# Altium PCB PCB1.PcbDoc (part 2 of 4)
Units mm, origin at the board's own origin, x right, y up, seen from the top; angles counter-clockwise.
Board outline 182 x 106 mm, 2 copper layers (Top Layer, Bottom Layer); 1027 components, 737 nets, 3417 pads, 0 vias.
Unrouted connection lines stored in the file: 2451.
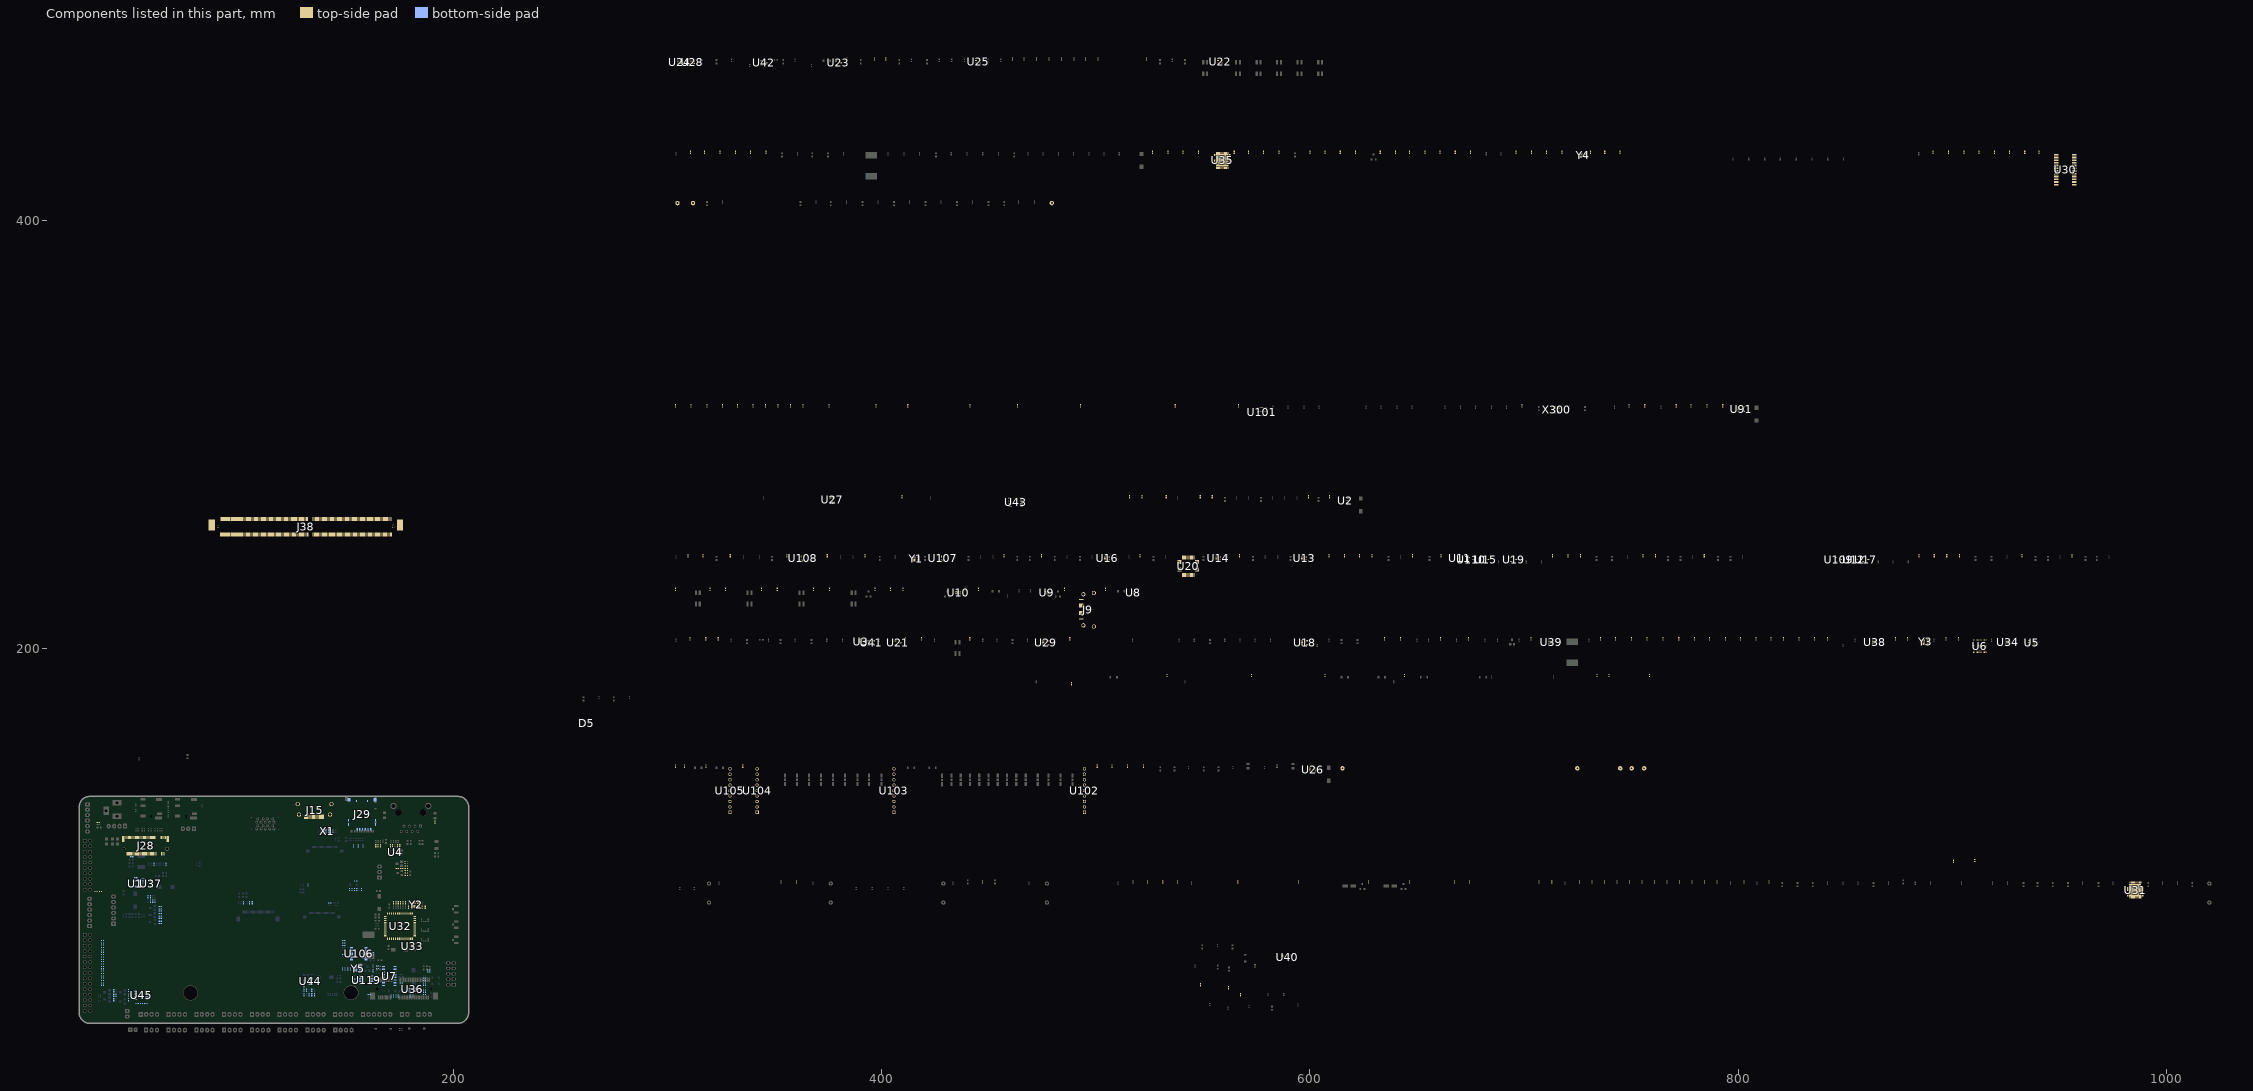
[diagram p2: the components of this part, seen from the top]

## Components (designator, comment, footprint, x,y, rotation, side; value= is the part's Value field where it differs from the comment) (continued)
R308 "R0402" "R 0402" 343.789,227.711 r90 top
R309 "R0402" "R 0402" 326.898,227.711 r90 top
R310 "R0402" "R 0402" 319.786,227.711 r90 top
R311 "R0402" "R 0402" 303.53,227.711 r90 top
R312 "R0402" "R 0402" 409.448,271.018 r90 top
R313 "R0402" "R 0402" 148.1,50.4 r90 bottom
R314 "R0402" "R 0402" 149.3,50.4 r90 bottom
R315 "R0402" "R 0402" 49.575,102.827 r0 bottom
R500 "R0402" "R 0402" 785.495,313.436 r90 top
R501 "R0402" "R 0402" 792.861,313.436 r90 top
R502 "R0402" "R 0402" 756.412,313.436 r90 top
R525 "R0402" "R 0402" 35.9,62.6 r0 bottom
R526 "R0402" "R 0402" 35.9,63.7 r0 bottom
R527 "R0402" "R 0402" 35.9,60.4 r0 bottom
R528 "R0402" "R 0402" 35.9,61.5 r0 bottom
R529 "R0402" "R 0402" 35.9,58.2 r180 bottom
R530 "R0402" "R 0402" 35.9,43.9 r0 bottom
R531 "R0402" "R 0402" 35.9,42.8 r0 bottom
R532 "R0402" "R 0402" 35.9,59.3 r180 bottom
R533 "R0402" "R 0402" 35.9,57.1 r180 bottom
R534 "R0402" "R 0402" 35.9,56 r180 bottom
R535 "R0402" "R 0402" 35.9,53.8 r0 bottom
R536 "R0402" "R 0402" 35.9,54.9 r0 bottom
R537 "R0402" "R 0402" 35.9,52.7 r0 bottom
R538 "R0402" "R 0402" 35.9,51.6 r0 bottom
R539 "R0402" "R 0402" 35.9,50.5 r0 bottom
R540 "R0402" "R 0402" 35.9,49.4 r0 bottom
R541 "R0402" "R 0402" 35.9,47.2 r0 bottom
R542 "R0402" "R 0402" 35.9,48.3 r0 bottom
R543 "R0402" "R 0402" 35.9,45 r0 bottom
R544 "R0402" "R 0402" 35.9,46.1 r0 bottom
R545 "R0402" "R 0402" 778.002,313.436 r90 top
R546 "R0402" "R 0402" 412.115,313.436 r90 top
R547 "R0402" "R 0402" 537.083,313.436 r90 top
R548 "R0402" "R 0402" 375.285,313.436 r90 top
R549 "R0402" "R 0402" 397.383,313.436 r90 top
R550 "R0402" "R 0402" 441.198,313.436 r90 top
R551 "R0402" "R 0402" 771.144,313.436 r90 top
R552 "R0402" "R 0402" 699.008,313.436 r90 top
R553 "R0402" "R 0402" 566.547,313.436 r90 top
R559 "R0402" "R 0402" 463.296,313.436 r90 top
R607 "R0402" "R 0402" 62.875,75.2 r0 bottom
R608 "R0402" "R 0402" 62.875,74.1 r0 bottom
R611 "R0402" "R 0402" 392.049,243.459 r90 top
R612 "R0402" "R 0402" 309.372,243.459 r90 top
R613 "R0402" "R 0402" 903.478,243.459 r90 top
R614 "R0402" "R 0402" 884.555,243.459 r90 top
R615 "R0402" "R 0402" 726.313,243.459 r90 top
R616 "R0402" "R 0402" 713.359,243.459 r90 top
R656 "R0402" "R 0402" 154,44.2 r0 bottom
R657 "R0402" "R 0402" 154,45.75 r180 bottom
R658 "R0402" "R 0402" 160.6,38.5 r180 bottom
R661 "R0402" "R 0402" 131.9,89.6 r90 bottom
R662 "R0402" "R 0402" 828.421,204.597 r90 top
R671 "R0402" "R 0402" 148.675,61.4 r180 bottom
R672 "R0402" "R 0402" 156.125,52.8 r0 bottom
R673 "R0402" "R 0402" 148.675,57.2 r180 bottom
TP1 "TP" TP1 744.982,144.145 r0 top
TP2 "TP" TP1 724.916,144.145 r0 top
TP3 "TP" TP1 756.158,144.145 r0 top
TP4 "TP" TP1 750.316,144.145 r0 top
TP5 "TP" TP1 615.188,144.145 r0 top
TP13 "TP" TP1 479.425,408.178 r90 top
TP14 "TP" TP1 311.785,408.178 r90 top
TP15 "TP" TP1 304.546,408.178 r90 top
U1 "SOT-23-6_TPS563200" SOT-23-6 51.2,90.2 r90 bottom
U2 "SOT-23-6_SY8113BADC" "SOT-23-6 Thin" 616.585,269.24 r0 top
U3 "SY6280AAAC" DCK5_N 390.144,203.327 r0 top
U4 "PT5108E23E-30" TI-DDC5_N 172.8,104.9 r180 top
U5 "HDMI_IN_SOT236" SOT-23-6 937.26,202.819 r0 top
U6 "HDMI_IN" TC358749XBG-80pin 912.876,201.168 r0 top
U7 "MAX3232" SOP-16 169.9,47.1 r0 bottom
U8 "ESD5304D" RCLAMP0524PATCT 517.525,226.187 r0 top
U9 "ESD5304D" RCLAMP0524PATCT 477.139,226.187 r0 top
U10 "ESD5304D" RCLAMP0524PATCT 435.61,226.187 r0 top
U11 "SY6280AAAC" DCK5_N 670.052,242.189 r0 top
U12 "NC/ESD5302F" INF-SOT23_N 854.075,241.681 r0 top
U13 "SY6280AAAC" DCK5_N 597.281,242.189 r0 top
U14 "SY6280AAAC" DCK5_N 557.149,242.189 r0 top
U15 "NC/ESD5302F" INF-SOT23_N 682.244,241.681 r0 top
U16 "SY6280AAAC" DCK5_N 505.206,242.189 r0 top
U17 "NC/ESD5302F" INF-SOT23_N 859.663,241.681 r0 top
U18 "HDMI_OUT_SHDN" TI-DDC5_N 597.535,202.819 r0 top
U19 "NC/ESD5302F" INF-SOT23_N 695.198,241.681 r0 top
U20 "FE2_QFP48" LQFP48_N 543.179,238.506 r0 top
U21 "ESD5302F" INF-SOT23_N 407.543,202.819 r0 top
U22 "NC/SY6280AAAC" DCK5_N 558.038,474.218 r0 top
U23 "NC/ESD5302F" INF-SOT23_N 379.73,473.71 r0 top
U24 "NC/ESD5304D" RCLAMP0524PATCT 305.689,473.964 r0 top
U25 "SY6280AAAC" DCK5_N 445.008,474.218 r0 top
U26 "SOT-23-6_TPS563200" SOT-23-6 601.345,143.383 r0 top
U27 "ALPU-C" *SSOT6 376.936,269.494 r0 top
U28 "NC/ESD5304D" RCLAMP0524PATCT 311.531,473.964 r0 top
U29 "HDMI_OUT_SHDN" TI-DDC5_N 476.631,202.819 r0 top
U30 "SG24301G" SG24301G 952.881,423.799 r0 top
U31 "ALC5640" QFN48 985.52,87.249 r0 top
U32 "AP6356S" AP6356S 175,70.4 r270 top
U33 "NC/LM3691TL-3.3" TLA06LCA 180.55,61.1 r180 top
U34 "NC" RCLAMP0524PATCT 926.084,203.073 r0 top
U35 "RTL8211E-VB-CG" QFN48 559.054,428.117 r0 top
U36 "MP1495S" TSOT-23-8 180.6,40.9 r0 bottom
U37 "SOT-23-6_SY8113BADC" SOT-23-6 58.4,90.2 r90 bottom
U38 "NC" RCLAMP0524PATCT 863.854,203.073 r0 top
U39 "NC" RCLAMP0524PATCT 712.724,203.073 r0 top
U40 "DAC" TSSOP-10 589.3,55.9 r0 top
U41 "HDMI_OUT_SHDN" TI-DDC5_N 395.097,202.819 r0 top
U42 "ESD5302F" INF-SOT23_N 344.932,473.71 r0 top
U43 "NC/AT18" SOP-8 462.534,268.351 r0 top
U44 "MP1495S" TSOT-23-8 133,44.7 r270 bottom
U45 "SOP-8_JL8506B" SOP-8 54,38.1 r0 bottom
U91 "APS2410" SOT-23-5 801.497,311.912 r0 top
U101 "TC358775XBG" BGA-64-TC358774XBG 577.596,310.515 r0 top
U102 "NC/HOLE" JP9-C1T 494.665,133.731 r90 top
U103 "NC/HOLE" JP9-C1T 405.638,133.731 r90 top
U104 "NC/HOLE" JP9-C1T 341.757,133.731 r90 top
U105 "NC/HOLE" JP9-C1T 329.057,133.731 r90 top
U106 "WK2124/VK3224/GM8412" SOP-20 155.6,57.4 r0 bottom
U107 "SY6280AAAC" DCK5_N 428.498,242.189 r90 top
U108 "SY6280AAAC" DCK5_N 362.966,242.189 r90 top
U109 "NC/ESD5302F" INF-SOT23_N 846.963,241.681 r0 top
U110 "NC/ESD5302F" INF-SOT23_N 675.386,241.681 r0 top
U119 "MAX3485" SOIC-8 159.1,45.23 r180 bottom
X1 "CRY_D2520" "Crystal 4-SMD 32x25" 140.9,114.7 r180 bottom
X300 "NC/KC2520B68.9300C10E00" "Crystal 4-SMD 32x25" 715.264,311.658 r90 top
Y1 "12M-10ppm" "Crystal 4-SMD 32x25" 416.052,242.062 r0 top
Y2 "37.4MHz-10ppm" "Crystal 4-SMD 32x25" 182.4,80.475 r0 top
Y3 "NC" "Crystal 4-SMD 32x25" 887.603,203.2 r0 top
Y4 "25M-10ppm" "Crystal 4-SMD 32x25" 727.583,430.53 r0 top
Y5 "11.0592MHz-10ppm" "Crystal 4-SMD 32x25" 155.3,50.462 r0 bottom

## Footprints (in the part's own frame and the unit in brackets; to place one, negate y for a bottom-side part, rotate by r counter-clockwise, add the part's x,y. Pads: shape width x height; smd on the part's side, far side on the other; paste and mask are expansions set on the pad)
*AMPHENOL_10029449-001RLF_10029449-001RLF(Primary) [mm]
  rect 0.3x1.9 smd: 1(4.75,1) 2(4.25,1) 3(3.75,1) 4(3.25,1) 5(2.75,1) 6(2.25,1) 7(1.75,1) 8(1.25,1) 9(0.75,1) 10(0.25,1) 11(-0.25,1) 12(-0.75,1) 13(-1.25,1) 14(-1.75,1) 15(-2.25,1) 16(-2.75,1) 17(-3.25,1) 18(-3.75,1) 19(-4.25,1)
  round 1.95 hole 1.3: S1(7.25,0) S2(-7.25,0) S3(-7.85,-4.9) S4(7.85,-4.9)
  silkscreen extent -7.5,-7.5 7.5,3.29
*CONN_1-2199230-5_1-2199230-5(Primary) [mm]
  rect 0.3x1.55 smd: 1(-9.25,5.275) 2(-9,-2.275) 3(-8.75,5.275) 4(-8.5,-2.275) 5(-8.25,5.275) 6(-8,-2.275) 7(-7.75,5.275) 8(-7.5,-2.275) 9(-7.25,5.275) 10(-7,-2.275) 11(-6.75,5.275) 20(-6.5,-2.275) 21(-6.25,5.275) 22(-6,-2.275) 23(-5.75,5.275) 24(-5.5,-2.275) 25(-5.25,5.275) 26(-5,-2.275) 27(-4.75,5.275) 28(-4.5,-2.275) 29(-4.25,5.275) 30(-4,-2.275) 31(-3.75,5.275) 32(-3.5,-2.275) 33(-3.25,5.275) 34(-3,-2.275) 35(-2.75,5.275) 36(-2.5,-2.275) 37(-2.25,5.275) 38(-2,-2.275) 39(-1.75,5.275) 40(-1.5,-2.275) 41(-1.25,5.275) 42(-1,-2.275) 43(-0.75,5.275) 44(-0.5,-2.275) 45(-0.25,5.275) 46(0,-2.275) 47(0.25,5.275) 48(0.5,-2.275) 49(0.75,5.275) 50(1,-2.275) 51(1.25,5.275) 52(1.5,-2.275) 53(1.75,5.275) 54(2,-2.275) 55(2.25,5.275) 56(2.5,-2.275) 57(2.75,5.275) 58(3,-2.275) 59(3.25,5.275) 60(3.5,-2.275) 61(3.75,5.275) 62(4,-2.275) 63(4.25,5.275) 64(4.5,-2.275) 65(4.75,5.275) 66(5,-2.275) 67(7.25,5.275) 68(7.5,-2.275) 69(7.75,5.275) 70(8,-2.275) 71(8.25,5.275) 72(8.5,-2.275) 73(8.75,5.275) 74(9,-2.275) 75(9.25,5.275)
  round 1.1 hole 1.1 unplated: None(-10,0)
  round 1.6 hole 1.6 unplated: None(10,0)
  rect 1.2x2.75 smd: S1(-10.35,4.5) S2(10.35,4.5)
  silkscreen extent -10.95,-2.5 10.95,6.6
*CONN_78646-3001_78646-3001(Primary) [mm]
  rect 1.15x0.65 smd: C1(-7.26,2.645) C2(-7.26,0.105) C3(-7.26,-2.435) C5(-7.26,3.915) C6(-7.26,1.375) C7(-7.26,-1.165)
  rect 1.3x0.45 smd: G1(-5.09,6.16) G2(-3.09,6.16) G3(-5.09,-6.38) G4(-3.09,-6.38)
  rect 1.7x1.4 smd: G5(6.47,-6.215) G6(6.47,5.995)
  rect 0.8x0.54 smd: X1(5.89,2.43) X2(5.89,-2.65)
  silkscreen extent -8.86,-6.44 5.24,6.21
*FOX_AS0B821-S78B-7H_AS0B821-S78B-7H(Primary) [mm]
  rect 0.35x2 smd: 1(-32,-3.75) 2(-31.75,3.5) 3(-31.5,-3.75) 4(-31.25,3.5) 5(-31,-3.75) 6(-30.75,3.5) 7(-30.5,-3.75) 8(-30.25,3.5) 9(-30,-3.75) 10(-29.75,3.5) 11(-29.5,-3.75) 12(-29.25,3.5) 13(-29,-3.75) 14(-28.75,3.5) 15(-28.5,-3.75) 16(-28.25,3.5) 17(-28,-3.75) 18(-27.75,3.5) 19(-27.5,-3.75) 20(-27.25,3.5) 21(-27,-3.75) 22(-26.75,3.5) 23(-26.5,-3.75) 24(-26.25,3.5) 25(-26,-3.75) 26(-25.75,3.5) 27(-25.5,-3.75) 28(-25.25,3.5) 29(-25,-3.75) 30(-24.75,3.5) 31(-24.5,-3.75) 32(-24.25,3.5) 33(-24,-3.75) 34(-23.75,3.5) 35(-23.5,-3.75) 36(-23.25,3.5) 37(-23,-3.75) 38(-22.75,3.5) 39(-22.5,-3.75) 40(-22.25,3.5) 41(-22,-3.75) 42(-21.75,3.5) 43(-21.5,-3.75) 44(-21.25,3.5) 45(-21,-3.75) 46(-20.75,3.5) 47(-20.5,-3.75) 48(-20.25,3.5) 49(-20,-3.75) 50(-19.75,3.5) 51(-19.5,-3.75) 52(-19.25,3.5) 53(-19,-3.75) 54(-18.75,3.5) 55(-18.5,-3.75) 56(-18.25,3.5) 57(-18,-3.75) 58(-17.75,3.5) 59(-17.5,-3.75) 60(-17.25,3.5) 61(-17,-3.75) 62(-16.75,3.5) 63(-16.5,-3.75) 64(-16.25,3.5) 65(-16,-3.75) 66(-15.75,3.5) 67(-15.5,-3.75) 68(-15.25,3.5) 69(-15,-3.75) 70(-14.75,3.5) 71(-14.5,-3.75) 72(-14.25,3.5) 73(-14,-3.75) 74(-13.75,3.5) 75(-13.5,-3.75) 76(-13.25,3.5) 77(-13,-3.75) 78(-12.75,3.5) 79(-12.5,-3.75) 80(-12.25,3.5) 81(-12,-3.75) 82(-11.75,3.5) 83(-11.5,-3.75) 84(-11.25,3.5) 85(-11,-3.75) 86(-10.75,3.5) 87(-10.5,-3.75) 88(-10.25,3.5) 89(-10,-3.75) 90(-9.75,3.5) 91(-9.5,-3.75) 92(-9.25,3.5) 93(-9,-3.75) 94(-8.75,3.5) 95(-8.5,-3.75) 96(-8.25,3.5) 97(-8,-3.75) 98(-7.75,3.5) 99(-7.5,-3.75) 100(-7.25,3.5) 101(-7,-3.75) 102(-6.75,3.5) 103(-6.5,-3.75) 104(-6.25,3.5) 105(-6,-3.75) 106(-5.75,3.5) 107(-5.5,-3.75) 108(-5.25,3.5) 109(-5,-3.75) 110(-4.75,3.5) 111(-4.5,-3.75) 112(-4.25,3.5) 113(-4,-3.75) 114(-3.75,3.5) 115(-3.5,-3.75) 116(-3.25,3.5) 117(-3,-3.75) 118(-2.75,3.5) 119(-2.5,-3.75) 120(-2.25,3.5) 121(-2,-3.75) 122(-1.75,3.5) 123(-1.5,-3.75) 124(-1.25,3.5) 125(-1,-3.75) 133(1,-3.75) 134(1.25,3.5) 135(1.5,-3.75) 136(1.75,3.5) 137(2,-3.75) 138(2.25,3.5) 139(2.5,-3.75) 140(2.75,3.5) 141(3,-3.75) 142(3.25,3.5) 143(3.5,-3.75) 144(3.75,3.5) 145(4,-3.75) 146(4.25,3.5) 147(4.5,-3.75) 148(4.75,3.5) 149(5,-3.75) 150(5.25,3.5) 151(5.5,-3.75) 152(5.75,3.5) 153(6,-3.75) 154(6.25,3.5) 155(6.5,-3.75) 156(6.75,3.5) 157(7,-3.75) 158(7.25,3.5) 159(7.5,-3.75) 160(7.75,3.5) 161(8,-3.75) 162(8.25,3.5) 163(8.5,-3.75) 164(8.75,3.5) 165(9,-3.75) 166(9.25,3.5) 167(9.5,-3.75) 168(9.75,3.5) 169(10,-3.75) 170(10.25,3.5) 171(10.5,-3.75) 172(10.75,3.5) 173(11,-3.75) 174(11.25,3.5) 175(11.5,-3.75) 176(11.75,3.5) 177(12,-3.75) 178(12.25,3.5) 179(12.5,-3.75) 180(12.75,3.5) 181(13,-3.75) 182(13.25,3.5) 183(13.5,-3.75) 184(13.75,3.5) 185(14,-3.75) 186(14.25,3.5) 187(14.5,-3.75) 188(14.75,3.5) 189(15,-3.75) 190(15.25,3.5) 191(15.5,-3.75) 192(15.75,3.5) 193(16,-3.75) 194(16.25,3.5) 195(16.5,-3.75) 196(16.75,3.5) 197(17,-3.75) 198(17.25,3.5) 199(17.5,-3.75) 200(17.75,3.5) 201(18,-3.75) 202(18.25,3.5) 203(18.5,-3.75) 204(18.75,3.5) 205(19,-3.75) 206(19.25,3.5) 207(19.5,-3.75) 208(19.75,3.5) 209(20,-3.75) 210(20.25,3.5) 211(20.5,-3.75) 212(20.75,3.5) 213(21,-3.75) 214(21.25,3.5) 215(21.5,-3.75) 216(21.75,3.5) 217(22,-3.75) 218(22.25,3.5) 219(22.5,-3.75) 220(22.75,3.5) 221(23,-3.75) 222(23.25,3.5) 223(23.5,-3.75) 224(23.75,3.5) 225(24,-3.75) 226(24.25,3.5) 227(24.5,-3.75) 228(24.75,3.5) 229(25,-3.75) 230(25.25,3.5) 231(25.5,-3.75) 232(25.75,3.5) 233(26,-3.75) 234(26.25,3.5) 235(26.5,-3.75) 236(26.75,3.5) 237(27,-3.75) 238(27.25,3.5) 239(27.5,-3.75) 240(27.75,3.5) 241(28,-3.75) 242(28.25,3.5) 243(28.5,-3.75) 244(28.75,3.5) 245(29,-3.75) 246(29.25,3.5) 247(29.5,-3.75) 248(29.75,3.5) 249(30,-3.75) 250(30.25,3.5) 251(30.5,-3.75) 252(30.75,3.5) 253(31,-3.75) 254(31.25,3.5) 255(31.5,-3.75) 256(31.75,3.5) 257(32,-3.75) 258(32.25,3.5) 259(32.5,-3.75) 260(32.75,3.5) 261(33,-3.75) 262(33.25,3.5) 263(33.5,-3.75) 264(33.75,3.5) 265(34,-3.75) 266(34.25,3.5) 267(34.5,-3.75) 268(34.75,3.5) 269(35,-3.75) 270(35.25,3.5) 271(35.5,-3.75) 272(35.75,3.5) 273(36,-3.75) 274(36.25,3.5) 275(36.5,-3.75) 276(36.75,3.5) 277(37,-3.75) 278(37.25,3.5) 279(37.5,-3.75) 280(37.75,3.5) 281(38,-3.75)
  rect 4.82x2 smd: E1(-39.75,-3.75) E2(-39.5,3.5) E3(-34.75,-3.75) E4(-34.5,3.5)
  round 1.1 hole 1.1 unplated: None(-43,0)
  round 1.6 hole 1.6 unplated: None(39,0)
  rect 3x5.15 smd: P1(-46,0.75) P2(42,0.75)
  Keep-Out Layer circle w0: c35.5,-66 r3.4
  Keep-Out Layer circle w0: c-39.5,-66 r3.4
  Keep-Out Layer circle w0: c35.5,-66 r3.4
  Keep-Out Layer circle w0: c-39.5,-66 r3.4
  Keep-Out Layer circle w0: c35.5,-66 r3.4
  Keep-Out Layer circle w0: c-39.5,-66 r3.4
  Keep-Out Layer circle w0: c35.5,-66 r3.4
  Keep-Out Layer circle w0: c-39.5,-66 r3.4
  Keep-Out Layer circle w0: c35.5,-66 r3.4
  Keep-Out Layer circle w0: c-39.5,-66 r3.4
  Keep-Out Layer circle w0: c35.5,-66 r3.4
  Keep-Out Layer circle w0: c-39.5,-66 r3.4
  Keep-Out Layer circle w0: c35.5,-66 r3.4
  Keep-Out Layer circle w0: c-39.5,-66 r3.4
  Keep-Out Layer circle w0: c35.5,-66 r3.4
  Keep-Out Layer circle w0: c-39.5,-66 r3.4
  Keep-Out Layer circle w0: c35.5,-66 r3.4
  Keep-Out Layer circle w0: c-39.5,-66 r3.4
  silkscreen extent -44.3,-5.7 40.3,4.2